# Allegro board DPU_PoE_A1_Oct-9-26.brd
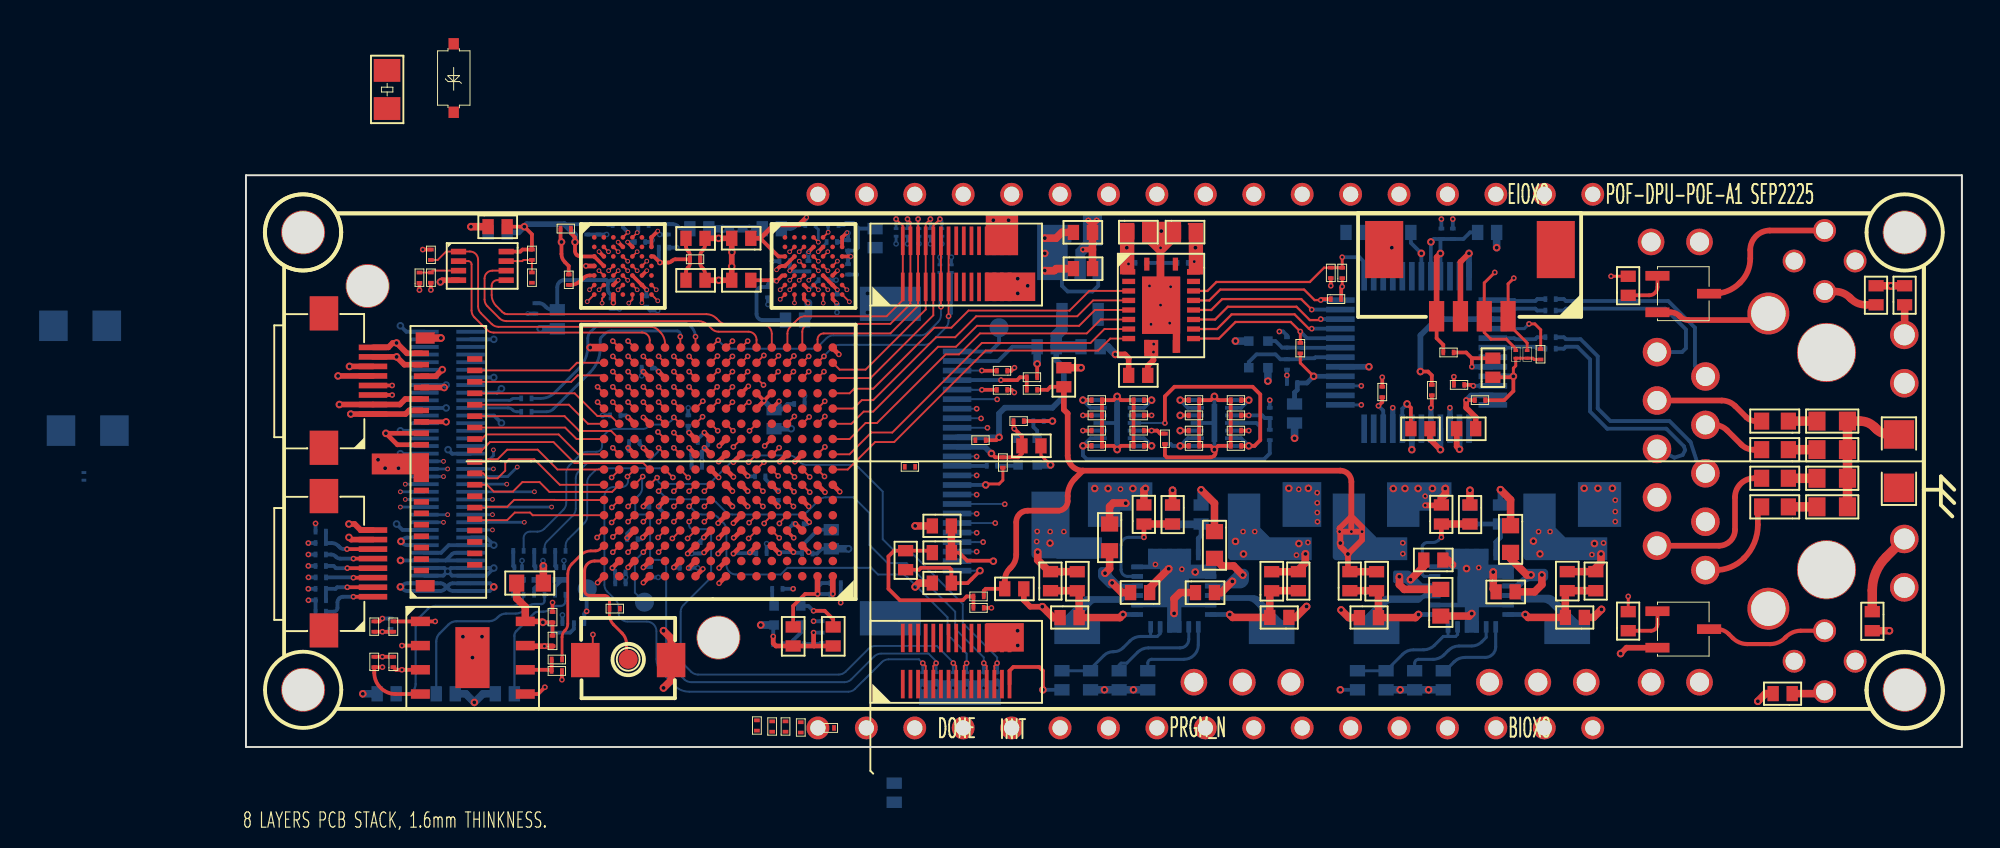
[diagram p0: board, top side]
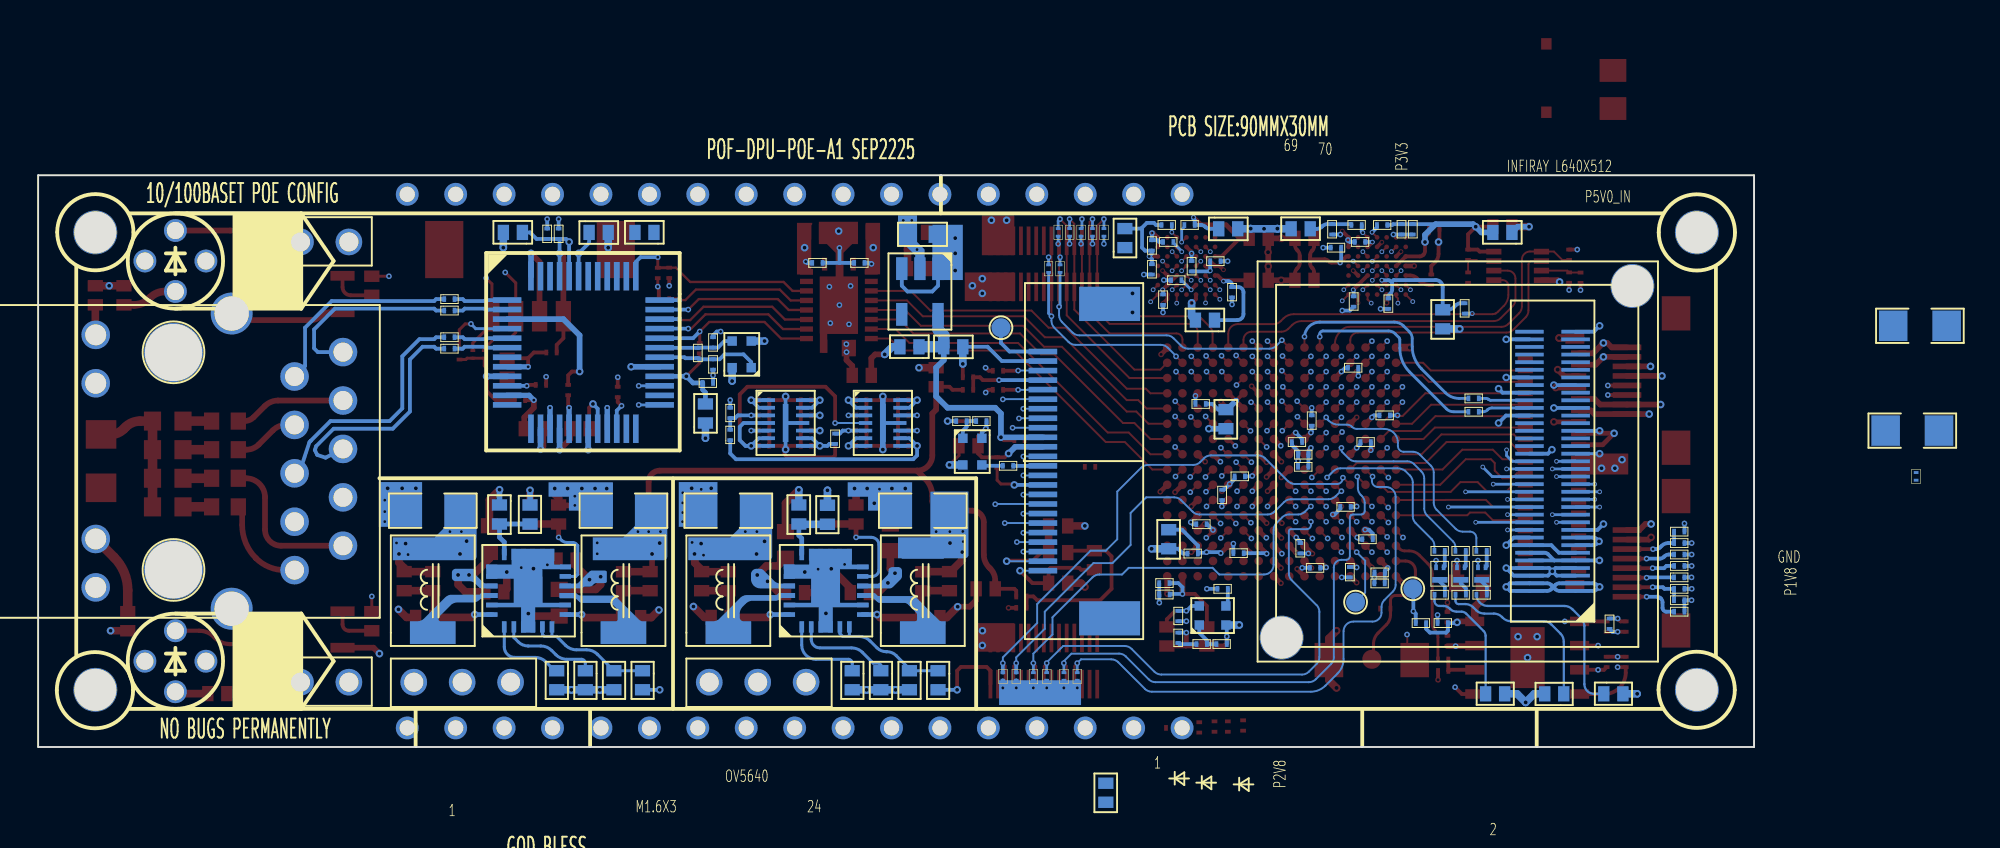
[diagram p1: board, bottom side, seen from below]

Outline 90 x 30 mm; copper layers: TOP, GND-2, SIG-3, VCC-4, GND-5, SIG-6, GND-7, BOTTOM. Coordinates in mm from the lower left corner of the outline.
Outline path: 0,30 90,30 90,0 0,0 0,30

## Design rules (mm)
constraint set DEFAULT: min track width 0.102, pair gap 0.2
net group CK: nets H1_D15 H1_RWDS1
net group DVP_MCLK: nets DVP_MCLK N763219
net group IO_LED_1: nets IO_LED_1 N1593321
net group IO_LED_2: nets IO_LED_2 N1593325
net group IO_LED_3: nets IO_LED_3 N1593329
net group IR_1V8_EN: nets IR_1V8_EN IR_3V3
net group IR_3V3_EN: nets IR_3V3_EN IR_5V0
net group IR_UART_RX: nets IR_UART_RX N2822398
net group IR_UART_TX: nets IR_UART_TX N2822416
net group MCLK: nets MCLK N900708
net group MG_DATABUS_8_15: nets IO-4 IR_D2
net group MIPI1_CLK: nets MIPI1_CLK+ MIPI1_CLK-
net group MIPI1_D0: nets MIPI1_D0+ MIPI1_D0-
net group MIPI1_D1: nets MIPI1_D1+ MIPI1_D1-
net group MIPI2_CLK: nets MIPI2_CLK+ MIPI2_CLK-
net group MIPI2_D0: nets MIPI2_D0+ MIPI2_D0-
net group MIPI2_D1: nets MIPI2_D1+ MIPI2_D1-
net group N2933507: nets N2933507 N2934366
net group RN: nets N2902207 RN
net group RP: nets N2902219 RP
net group SYS_CLK: nets N990230 SYS_CLK
net group TN: nets N2902183 TN
net group TP: nets N2902195 TP
net group UPLD_TXD1: nets N3194743 UPLD_TXD1
net group UPLD_TXD2: nets N3195213 UPLD_TXD2
net group CENTER12: nets CENTER12 CENTER56 GND_EARTH N2982594 N29811470 N29812170 N29812430 N29812690 SPARE7 SPARE8
net group EN_ME1: nets EN_ME1 EN_ME2 PWR_EN_EXT
net group H1_CK: nets H1_CKN
net group MG1: nets H2_CKN H2_CKP H2_D0 H2_D1 H2_D2 H2_D3 H2_D4 H2_D5 H2_D6 H2_D7 H2_D8 H2_D9 H2_D10 H2_D12 H2_D13 H2_D14 H2_D15 H2_RWDS0 H2_RWDS1
net group MG2: nets H1_CKP H1_CS H1_D0 H1_D1 H1_D2 H1_D3 H1_D4 H1_D5 H1_D6 H1_D7 H1_D8 H1_D9 H1_D10 H1_D11 H1_D12 H1_D13 H1_D14 H1_RWDS0
net group MG_BT1120: nets BIO-3
net group MG_DATABUS_0_7: nets H2_D11
net group MG_DVP: nets DVP_D0 DVP_D1 DVP_D2 DVP_D3 DVP_D4 DVP_D5 DVP_D6 DVP_D7 DVP_HSYNC DVP_PCLK DVP_VSYNC
net group MG_IR_CAM: nets IR_D0 IR_D1 IR_D3 IR_D4 IR_D5 IR_D6 IR_D7 IR_D8 IR_D9 IR_D10 IR_D11 IR_D12 IR_D13 IR_D14 IR_D15 IR_HSYNC IR_PCLK IR_VSYNC
net group P2V8: nets N2071731 N2071821 P2V8

## Placement (name value [footprint] x y rotation side)
C1  0.1uF  [C0201_SMT]  30.2 6 270 bottom
C2  0.1uF  [C0201_SMT]  49.4 25.4 180 bottom
C3  10uF  [C0402_SMT]  23.08 26.69 0 top
C4  10uF  [C0402_SMT]  26.48 26.69 180 top
C5  10uF  [C0402_SMT]  33 26.2 90 bottom
C6  10uF  [C0402_SMT]  12.7 27 0 bottom
C7  10uF  [C0402_SMT]  46.3 27.02 0 top
C8  10uF  [C0402_SMT]  48.75 27.02 0 top
C9  0.1uF  [C0201_SMT]  23.83 25.59 180 top
C10  4.7uF  [C0201_SMT]  16.93 24.79 270 top
C11  10uF  [C0402_SMT]  23.08 24.49 0 top
C12  0.1uF  [C0402_SMT]  25.48 24.49 0 top
C13  0.1uF  [C0402_SMT]  49.8 8.1 0 top
C14  0.1uF  [C0402_SMT]  62.78 9.81 180 top
C15  200pF  [C0402_SMT]  69.3 8.2 90 top
C16  16pF  [C0402_SMT]  59.3 8.2 90 top
C17  10uF  [C0402_SMT]  44.4 27 180 top
C18  4.7uF  [C0201_SMT]  28.3 0.8 90 top
C19  0.1uF  [C0201_SMT]  30.3 1 0 top
C20  22uF  [C0603_SMT]  66.33 11.61 270 top
C21  22uF  [C0603_SMT]  62.67 6.87 90 top
C22  0.1uF  [C0201_SMT]  16.5 27.2 0 top
C23  10uF  [C0402_SMT]  42.9 19.9 270 top
C24  10uF  [C0402_SMT]  39.8 8.3 0 top
C25  0.1uF  [C0201_SMT]  56.9 25.15 270 top
C26  0.1uF  [C0201_SMT]  41.5 19.4 180 top
C27  0.1uF  [C0201_SMT]  54.6 19.1 0 bottom
C28  10nF/100V  [C0603_SMT]  80.9 17.1 180 top
C29  0.1uF  [C0201_SMT]  38.8 16.1 180 top
C30  0.1uF  [C0201_SMT]  35.1 14.7 180 top
C31  0.1uF  [C0201_SMT]  39.7 15.2 270 top
C32  12pF  [C0201_SMT]  54.6 21.5 270 bottom
C33  10nF/100V  [C0603_SMT]  80.9 15.6 180 top
C34  10uF  [C0402_SMT]  43.8 21 0 bottom
C35  1000pF/2KV  [C1206_SMT]  87.5 13.4 90 top
C36  10uF  [C0402_SMT]  65.4 19.4 90 top
C37  0.1uF  [C0201_SMT]  67.9 20.33 90 top
C38  12pF  [C0201_SMT]  54.6 19.8 90 bottom
C39  10nF/100V  [C0603_SMT]  80.9 14.1 180 top
C40  10uF  [C0402_SMT]  55 17 90 bottom
C41  0.1uF  [C0201_SMT]  65 18.2 180 top
C42  10nF/100V  [C0603_SMT]  80.9 12.6 180 top
C43  10nF  [C0201_SMT]  59.6 18.9 270 top
C44  4.7uF  [C0402_SMT]  61.1 16.7 0 top
C45  10uF  [C0402_SMT]  63.5 16.7 0 top
C46  0.1uF  [C0201_SMT]  62.2 19 270 top
C47  4.7uF  [C0201_SMT]  26.8 1.4 270 top
C48  10uF  [C0402_SMT]  42.5 21 180 bottom
C49  0.1uF  [C0201_SMT]  27.6 0.8 90 top
C50  0.1uF  [C0402_SMT]  65.57 8.14 0 top
C51  0.1uF  [C0402_SMT]  47.4 8.1 180 top
C52  39pF  [C0402_SMT]  53.8 8.2 90 top
C53  20pF  [C0402_SMT]  43.6 8.2 90 top
C54  22uF  [C0603_SMT]  42.9 26.9 0 bottom
C55  10uF  [C0402_SMT]  46.3 19.5 0 top
C56  0.1uF  [C0201_SMT]  38.7 7.3 180 top
C57  0.1uF  [C0201_SMT]  16.08 6.54 90 top
C58  470nF  [C0201_SMT]  3.65 8.3 0 bottom
C59  0.1uF  [C0201_SMT]  6.73 6.59 270 top
C60  10uF  [C0402_SMT]  28.7 5.3 90 top
C61  22uF  [C0603_SMT]  45.3 11.7 270 top
C62  22uF  [C0603_SMT]  50.8 11.3 270 top
C63  22uF  [C0603_SMT]  15.6 8.6 180 top
C64  0.1uF  [C0201_SMT]  6.73 4.19 90 top
C65  10uF  [C0402_SMT]  30.8 5.3 90 top
C66  10uF  [C0402_SMT]  41.7 15.8 180 top
C67  10uF  [C0402_SMT]  28.08 27.19 180 bottom
C68  10uF  [C0402_SMT]  23.28 27.19 0 bottom
C69  10uF  [C0402_SMT]  16.33 22.94 270 bottom
C70  0.1uF  [C0201_SMT]  22.13 26.89 90 bottom
C71  0.1uF  [C0201_SMT]  18.49 26.89 90 bottom
C72  0.1uF  [C0201_SMT]  17.9 26.89 90 bottom
C73  0.1uF  [C0201_SMT]  62.7 27.2 270 bottom
C74  0.1uF  [C0201_SMT]  47.2 25.4 180 bottom
C75  0.1uF  [C0201_SMT]  20.94 26.5 180 bottom
C76  0.1uF  [C0201_SMT]  31 26.5 180 bottom
C77  0.1uF  [C0201_SMT]  31.58 26.59 270 bottom
C78  0.1uF  [C0201_SMT]  22.2 26.2 180 bottom
C79  0.1uF  [C0201_SMT]  27.98 25.49 0 bottom
C80  0.1uF  [C0201_SMT]  29.5 25.5 270 bottom
C81  0.1uF  [C0201_SMT]  31.58 24.79 90 bottom
C82  10uF  [C0402_SMT]  27.7 17.7 270 bottom
C83  0.1uF  [C0201_SMT]  30.58 24.49 180 bottom
C84  0.1uF  [C0201_SMT]  27.38 23.59 90 bottom
C85  0.1uF  [C0201_SMT]  31 23.2 90 bottom
C86  0.1uF  [C0201_SMT]  21 23.1 90 bottom
C87  0.1uF  [C0201_SMT]  19.18 22.99 90 bottom
C88  0.1uF  [C0201_SMT]  15.18 22.74 90 bottom
C89  10uF  [C0402_SMT]  43.4 25.1 0 top
C90  10uF  [C0402_SMT]  28.3 22.4 0 bottom
C91  0.1uF  [C0201_SMT]  63.3 27.2 270 bottom
C92  10uF  [C0402_SMT]  64.6 27 0 bottom
C93  10uF  [C0402_SMT]  57.7 27 0 bottom
C94  0.1uF  [C0201_SMT]  21.3 19.9 180 bottom
C95  1uF  [C0402_SMT]  65.8 12.7 270 bottom
C96  4.7uF  [C0201_SMT]  29.3 18 180 bottom
C97  33uF  [C1206_SMT]  57.7 13.2 0 bottom
C98  47uF  [C1206_SMT]  67.7 13.2 0 bottom
C99  4.7uF  [C0201_SMT]  19.1 17.4 0 bottom
C100  0.1uF  [C0201_SMT]  23.2 17.4 270 bottom
C101  4.7uF  [C0201_SMT]  44.9 18.2 180 top
C102  4.7uF  [C0201_SMT]  47.1 15.8 180 top
C103  4.7uF  [C0201_SMT]  50 18.2 180 top
C104  4.7uF  [C0201_SMT]  52.2 18.2 180 top
C105  0.1uF  [C0201_SMT]  23.7 16 0 bottom
C106  0.1uF  [C0201_SMT]  20.1 16 0 bottom
C107  22uF/25V  [C1206_SMT]  -6.7 15.8 180 bottom
C108  0.1uF  [C0201_SMT]  53.7 17.8 270 bottom
C109  0.1uF  [C0201_SMT]  44.9 17.4 180 top
C110  0.1uF  [C0201_SMT]  50 17.4 180 top
C111  0.1uF  [C0201_SMT]  23.37 15.34 0 bottom
C112  0.1uF  [C0201_SMT]  48.2 15.9 90 top
C113  0.1uF  [C0201_SMT]  23.92 14.7 180 bottom
C114  0.1uF  [C0201_SMT]  44.9 16.6 180 top
C115  0.1uF  [C0201_SMT]  50 16.6 180 top
C116  0.1uF  [C0201_SMT]  26.7 14.2 0 bottom
C117  0.1uF  [C0201_SMT]  40.8 17.1 180 top
C118  4.7uF  [C0201_SMT]  44.9 15.8 180 top
C119  4.7uF  [C0201_SMT]  47.1 18.2 180 top
C120  4.7uF  [C0201_SMT]  50 15.8 180 top
C121  4.7uF  [C0201_SMT]  52.2 15.8 180 top
C122  22uF/25V  [C1206_SMT]  -7.1 21.3 180 bottom
C123  0.1uF  [C0201_SMT]  27.9 13.5 270 bottom
C124  0.1uF  [C0201_SMT]  21.7 12.6 180 bottom
C125  4.7uF  [C0201_SMT]  28.71 11.69 0 bottom
C126  0.1uF  [C0201_SMT]  20 10.9 0 bottom
C127  10uF  [C0402_SMT]  30.7 11.4 270 bottom
C128  0.1uF  [C0201_SMT]  23.8 10.7 270 bottom
C129  0.1uF  [C0201_SMT]  29.17 10.15 0 bottom
C130  4.7uF  [C0201_SMT]  27.31 10.17 180 bottom
C131  0.1uF  [C0201_SMT]  19.36 9.16 0 bottom
C132  0.1uF  [C0201_SMT]  23.3 9.4 180 bottom
C133  0.1uF  [C0201_SMT]  21.2 8.9 90 bottom
C134  4.7uF  [C0201_SMT]  19.91 8.58 180 bottom
C135  0.1uF  [C0201_SMT]  31.2 8.6 180 bottom
C136  0.1uF  [C0201_SMT]  30.65 8 0 bottom
C137  4.7uF  [C0201_SMT]  30.2 6.6 90 bottom
C138  10uF  [C0402_SMT]  34 -1.9 270 bottom
C139  4.7uF  [C0201_SMT]  29.1 1.3 270 top
C140  0.1uF  [C0201_SMT]  16.6 6.5 180 bottom
C141  0.1uF  [C0201_SMT]  7.58 6.74 270 bottom
C142  10uF  [C0402_SMT]  61.1 27 180 bottom
C143  1uF  [C0402_SMT]  50.1 12.7 270 bottom
C144  33uF  [C1206_SMT]  42 13.2 0 bottom
C145  47uF  [C1206_SMT]  52.2 13.2 0 bottom
C146  10uF  [C0402_SMT]  12.7 27.3 0 top
D1  PESD2V0Y1BSF  [DSN0603-2]  37.1 3.5 90 bottom
D2  PESD2V0Y1BSF  [DSN0603-2]  35.5 3.5 90 bottom
D3  PESD2V0Y1BSF  [DSN0603-2]  38.7 3.5 90 bottom
D4  PESD2V0Y1BSF  [DSN0603-2]  36.2 3.5 90 bottom
D5  PESD2V0Y1BSF  [DSN0603-2]  37.8 3.5 90 bottom
D6  PESD2V0Y1BSF  [DSN0603-2]  39.4 3.5 90 bottom
D7  BZT52C5V6-7-F  [SOD-123]  10.9 35.1 90 top
D8  PESD2V0Y1BSF  [DSN0603-2]  34.7 26.8 90 bottom
D9  PESD2V0Y1BSF  [DSN0603-2]  34.1 26.8 90 bottom
D11  PESD2V0Y1BSF  [DSN0603-2]  35.3 26.8 90 bottom
D12  PESD2V0Y1BSF  [DSN0603-2]  35.9 26.8 90 bottom
D13  PESD2V0Y1BSF  [DSN0603-2]  36.5 26.8 90 bottom
D14  PESD2V0Y1BSF  [DSN0603-2]  36.4 25.3 270 bottom
D15  PESD2V0Y1BSF  [DSN0603-2]  37 25.3 270 bottom
D17  LED  [LED0402_SMT]  14.08 2.79 180 bottom
D18  LED  [LED0402_SMT]  7.88 2.79 180 bottom
D19  LED  [LED0402_SMT]  9.98 2.79 0 bottom
D20  PESD2V0Y1BSF  [DSN0603-2]  -8.5 14.4 270 bottom
D21  PESD2V0Y1BSF  [DSN0603-2]  67.2 20.4 90 top
D22  PESD2V0Y1BSF  [DSN0603-2]  66.6 20.4 90 top
F1  1AMP  [R0805]  7.4 35.5 270 top
FB1  BLM15PD121SN1D  [L0201_SMT]  41.5 18.74 180 top
FB2  BLM15PD121SN1D  [L0201_SMT]  62.8 20.7 0 top
FB3  BLM15PD121SN1D  [L0201_SMT]  38.7 7.9 180 top
J2  CONN-2X15P  [DF40HC_3D0_30DS_0D4]  34.45 26.56 0 top
J4  CONN-2X15P  [DF40HC_3D0_30DS_0D4]  34.45 5.72 0 top
J5  CONN-1X8  [FPC-0D5-8P]  6.66 7.88 90 top
J6  FPC-05F-24PH20  [FPC-0D5-24P]  37.3 9.25 90 bottom
J7  DF40HC(3.0)-70DS-0.4V(51)  [DF40HC-70DS_]  11.78 8.19 90 bottom
J8  HC-1.25-4PWT  [SMD-1D25-4P-DEG0]  66.2 22.6 180 top
J9  CONN-1X8  [FPC-0D5-8P]  6.66 17.47 90 top
J10  CONN-1X3P  [CONN-1X3P-2D54]  70.3 3.4 180 bottom
J11  CONN-1X3P  [CONN-1X3P-2D54]  54.8 3.4 180 bottom
J12  CONN-1X2P  [CONN-1X2P-2D54]  73.7 26.5 0 bottom
J13  CONN-1X2P  [CONN-1X2P-2D54]  73.7 3.4 0 bottom
L1  1uH/1A  [IND_SMD_4D4X4D2]  59.3 6 90 bottom
L2  1uH/1A  [IND_SMD_4D4X4D2]  69.3 6 90 bottom
L3  1uH/1A  [IND_SMD_4D4X4D2]  43.6 6 90 bottom
L4  1uH/1A  [IND_SMD_4D4X4D2]  53.8 6 90 bottom
LD1  LaserDiode  [LD_CIR_THR_4P]  82.8 25.5 270 bottom
LD2  LaserDiode  [LD_CIR_THR_4P]  82.8 4.5 270 bottom
NOREF  -  [unnamed]  82.9 20.7 0 top
NOREF#2  -  [unnamed]  82.9 9.3 0 top
NOREF#3  -  [unnamed#2]  24.78 5.74 0 top
NOREF#4  -  [unnamed#2]  3 3 0 top
NOREF#5  -  [unnamed#2]  87 27 0 top
NOREF#6  -  [unnamed#2]  87 3 0 top
NOREF#7  -  [#2]  0 0 90 top
NOREF#8  -  [#2]  0 30 0 top
NOREF#9  -  [unnamed#2]  3 27 0 top
NOREF#10  -  [unnamed#2]  6.38 24.19 0 top
Q1  BFR93AWH6327  [SOT23-3]  73.6 25.2 270 top
Q2  BFR93AWH6327  [SOT23-3]  73.6 7.6 270 top
Q3  BC847BMB,315  [DFN-3-1X0D6]  16.48 9.09 180 bottom
Q4  BC847BMB,315  [DFN-3-1X0D6]  15.38 9.09 180 bottom
Q5  BC847BMB,315  [DFN-3-1X0D6]  14.28 9.09 180 bottom
R1  0R  [R0402_SMT]  59.8 4 270 bottom
R2  DNP  [R0402_SMT]  58.3 4 270 bottom
R3  100K  [R0402_SMT]  70.2 6.8 180 top
R4  49.9K  [R0402_SMT]  58.4 6.79 0 top
R5  0R  [R0402_SMT]  72.5 23.7 90 top
R6  100R  [R0402_SMT]  85.5 23.2 90 top
R7  330R  [R0402_SMT]  87 23.2 90 top
R8  24.9K  [R0402_SMT]  70.8 8.2 90 top
R9  154K  [R0402_SMT]  57.9 8.2 90 top
R10  10K  [R0201_SMT]  57.5 24.6 90 top
R11  10K  [R0201_SMT]  9.7 26.1 270 top
R12  10K  [R0201_SMT]  9.1 24.35 90 top
R13  DNP  [R0201_SMT]  9.7 24.9 270 top
R14  10K  [R0201_SMT]  15 26.1 270 top
R15  DNP  [R0201_SMT]  15 24.9 270 top
R16  10K  [R0201_SMT]  39.93 19.74 180 top
R17  10K  [R0201_SMT]  39.93 18.74 180 top
R18  0R  [R0402_SMT]  64.2 12.7 270 top
R19  DNP  [R0402_SMT]  62.7 11.7 90 top
R20  33R  [R0201_SMT]  68.7 23.5 180 bottom
R21  10K  [R0201_SMT]  56.9 23.5 0 top
R22  33R  [R0201_SMT]  68.7 22.9 180 bottom
R23  75  [R0603_SMT]  82.4 17.1 0 top
R24  10K  [R0201_SMT]  55.3 21.2 270 top
R25  33R  [R0201_SMT]  68.7 21.5 180 bottom
R26  75  [R0603_SMT]  82.4 15.6 0 top
R27  33R  [R0201_SMT]  68.7 20.9 180 bottom
R28  0R  [R0201_SMT]  40.8 17.1 180 bottom
R29  1M  [R0201_SMT]  55.4 20.4 90 bottom
R30  33R  [R0201_SMT]  39.4 14.76 180 bottom
R31  75  [R0603_SMT]  82.4 14.1 0 top
R32  DNP  [R0201_SMT]  41.3 17.1 0 bottom
R33  12.4K,1%  [R0201_SMT]  63.9 19 180 top
R34  75  [R0603_SMT]  82.4 12.6 0 top
R35  0R  [R0402_SMT]  44.3 4 270 bottom
R36  DNP  [R0402_SMT]  42.8 4 270 bottom
R37  DNP  [R0201_SMT]  28.2 5.4 180 bottom
R38  33R  [R0201_SMT]  27.6 8.3 0 bottom
R39  0R  [R0201_SMT]  28.7 5.4 0 bottom
R40  100K  [R0402_SMT]  54.7 6.8 180 top
R41  48K  [R0402_SMT]  42.7 6.79 0 top
R42  0R  [R0402_SMT]  36 8.6 0 top
R43  DNP  [R0402_SMT]  34.6 10.3 270 top
R44  0R  [R0402_SMT]  36 10.2 0 top
R45  DNP  [R0402_SMT]  36 11.6 0 top
R46  125K  [R0402_SMT]  55.2 8.2 90 top
R47  120K  [R0402_SMT]  42.2 8.2 90 top
R48  4.7K  [R0201_SMT]  17.2 6.5 0 bottom
R49  330R  [R0402_SMT]  85.3 7.1 270 top
R50  4.7K  [R0201_SMT]  4.2 7.7 180 bottom
R51  4.7K  [R0201_SMT]  7.73 6.59 270 top
R52  4.7K  [R0201_SMT]  16.08 5.29 90 top
R53  4.7K  [R0201_SMT]  19.07 7.26 0 top
R54  33R  [R0201_SMT]  16.58 4.59 180 top
R55  4.7K  [R0201_SMT]  7.73 4.19 90 top
R56  DNP  [R0201_SMT]  16.03 3.99 0 top
R57  0R  [R0402_SMT]  48.6 12.7 270 top
R58  DNP  [R0402_SMT]  47.1 11.7 90 top
R59  0R  [R0402_SMT]  72.5 6.1 90 top
R60  100R  [R0402_SMT]  81.1 2.8 180 top
R61  2.2K  [R0201_SMT]  31.08 27.39 180 bottom
R62  2.2K  [R0201_SMT]  29.88 27.39 180 bottom
R63  2.2K  [R0201_SMT]  21.12 27.39 180 bottom
R64  2.2K  [R0201_SMT]  19.78 27.39 180 bottom
R65  10K  [R0402_SMT]  62.8 4 270 bottom
R66  10K  [R0402_SMT]  61.3 4 270 bottom
R67  10R  [R0402_SMT]  64.2 11.7 90 bottom
R68  0R  [R0201_SMT]  14.98 18.29 180 bottom
R69  0R  [R0201_SMT]  14.98 17.59 180 bottom
R70  100K  [R0201_SMT]  46.55 17.4 0 top
R71  100K  [R0201_SMT]  51.65 17.4 0 top
R72  100K  [R0201_SMT]  46.55 16.6 0 top
R73  100K  [R0201_SMT]  51.65 16.6 0 top
R74  100K  [R0201_SMT]  53.7 16.1 90 bottom
R75  100K  [R0201_SMT]  48.2 15.9 90 bottom
R76  10K  [R0402_SMT]  47.3 4 270 bottom
R77  10K  [R0402_SMT]  45.8 4 270 bottom
R78  1K  [R0201_SMT]  16.77 10.29 180 bottom
R79  1K  [R0201_SMT]  15.66 10.29 180 bottom
R80  1K  [R0201_SMT]  14.56 10.29 180 bottom
R81  20K  [R0201_SMT]  16.21 7.99 0 bottom
R82  20K  [R0201_SMT]  15.12 7.99 0 bottom
R83  20K  [R0201_SMT]  14.02 7.99 0 bottom
R84  10R  [R0402_SMT]  48.6 11.68 90 bottom
R85  4.7K  [R0201_SMT]  3.65 7.1 0 bottom
R86  2.2K  [R0201_SMT]  4.2 8.9 180 bottom
R87  4.7K  [R0201_SMT]  3.65 9.5 0 bottom
R88  4.7K  [R0201_SMT]  3.65 10.1 0 bottom
R89  1K  [R0201_SMT]  3.65 10.7 0 bottom
R90  DNP  [R0201_SMT]  3.65 11.3 0 bottom
SW1  SW KEY-SPST  [SW_SMD_2P_L3D9_W3D0_P4D5]  22.3 4.56 180 top
TP2  T POINT F  [TP_SMD_1D0_NP]  17.9 8.3 180 bottom
TP4  T POINT F  [TP_SMD_1D0_NP]  20.05 4.6 0 top
TP7  T POINT F  [TP_SMD_1D0_NP]  39.5 22 180 bottom
TP8  T POINT F  [TP_SMD_1D0_NP]  20.9 7.6 180 bottom
TP9  T POINT F  [TP_THR_CIR_0D8_1D2]  50.32 29 0 top
TP10  T POINT F  [TP_THR_CIR_0D8_1D2]  52.86 29 0 top
TP11  T POINT F  [TP_THR_CIR_0D8_1D2]  55.4 29 0 top
TP12  T POINT F  [TP_THR_CIR_0D8_1D2]  42.7 29 0 top
TP13  T POINT F  [TP_THR_CIR_0D8_1D2]  40.16 1 0 top
TP14  T POINT F  [TP_THR_CIR_0D8_1D2]  45.24 29 0 top
TP15  T POINT F  [TP_THR_CIR_0D8_1D2]  47.78 29 0 top
TP16  T POINT F  [TP_THR_CIR_0D8_1D2]  37.62 1 0 top
TP17  T POINT F  [TP_THR_CIR_0D8_1D2]  40.16 29 0 top
TP18  T POINT F  [TP_THR_CIR_0D8_1D2]  37.62 29 0 top
TP19  T POINT F  [TP_THR_CIR_0D8_1D2]  35.08 29 0 top
TP20  T POINT F  [TP_THR_CIR_0D8_1D2]  35.08 1 0 top
TP21  T POINT F  [TP_THR_CIR_0D8_1D2]  32.54 1 0 top
TP22  T POINT F  [TP_THR_CIR_0D8_1D2]  30 1 0 top
TP23  T POINT F  [TP_THR_CIR_0D8_1D2]  70.64 29 0 top
TP24  T POINT F  [TP_THR_CIR_0D8_1D2]  68.1 29 0 top
TP25  T POINT F  [TP_THR_CIR_0D8_1D2]  65.56 29 0 top
TP26  T POINT F  [TP_THR_CIR_0D8_1D2]  63.02 29 0 top
TP27  T POINT F  [TP_THR_CIR_0D8_1D2]  32.54 29 0 top
TP28  T POINT F  [TP_THR_CIR_0D8_1D2]  60.48 29 0 top
TP29  T POINT F  [TP_THR_CIR_0D8_1D2]  30 29 0 top
TP30  T POINT F  [TP_THR_CIR_0D8_1D2]  57.94 29 0 top
TP31  T POINT F  [TP_THR_CIR_0D8_1D2]  42.7 1 0 top
TP32  T POINT F  [TP_THR_CIR_0D8_1D2]  45.24 1 0 top
TP33  T POINT F  [TP_THR_CIR_0D8_1D2]  47.78 1 0 top
TP34  T POINT F  [TP_THR_CIR_0D8_1D2]  50.32 1 0 top
TP35  T POINT F  [TP_THR_CIR_0D8_1D2]  52.86 1 0 top
TP36  T POINT F  [TP_THR_CIR_0D8_1D2]  55.4 1 0 top
TP37  T POINT F  [TP_THR_CIR_0D8_1D2]  57.94 1 0 top
TP38  T POINT F  [TP_THR_CIR_0D8_1D2]  60.48 1 0 top
TP39  T POINT F  [TP_THR_CIR_0D8_1D2]  63.02 1 0 top
TP40  T POINT F  [TP_THR_CIR_0D8_1D2]  65.56 1 0 top
TP41  T POINT F  [TP_THR_CIR_0D8_1D2]  68.1 1 0 top
TP42  T POINT F  [TP_THR_CIR_0D8_1D2]  70.64 1 0 top
U1  W958D6NBKX4I  [WFBGA-49]  18.27 26.74 0 top
U2  W958D6NBKX4I  [WFBGA-49]  28.27 26.74 0 top
U3  TXS0108ERGYR  [VQFN-20]  48 23.18 270 top
U4  CAT25512HU5I-GT3  [UDFN-8-2X3]  13.65 25.99 270 top
U5  TPS22976DPUR  [WSON-14-EP]  49.9 18.2 270 bottom
U6  TPS22976DPUR  [WSON-14-EP]  44.8 18.2 270 bottom
U7  LIFCL-40-7BG256I  [CABGA-256]  30.78 8.96 180 top
U8  TLV75515PDBVR  [SOT-23-5]  42.8 25.1 270 bottom
U9  W25Q32JWZPIQ_TR  [WSON-8-EP-6X5MM]  11.88 4.69 0 top
U11  MAX20416ATGD/V+  [TQFN-24]  64.3 8.2 180 bottom
U12  W5500  [LQFP-48]  61.4 20.7 270 bottom
U13  HY931147C  [RJ-45-POE]  82.9 15 90 bottom
U14  MAX20416ATGD/V+  [TQFN-24]  48.7 8.2 180 bottom
Y1  Hirose FH35C-39S-0.3SHW  [FH35C-39S-0D3SHW]  9.2 14.96 270 top
Y2  XRCGB-25MHz  [SMD2016-4P]  53.6 19.9 90 bottom
Y3  24.0MHz  [SMD2016-4P]  40.5 16.2 270 bottom
Y4  25.0MHz  [SMD2016-4P]  29.1 7.4 180 bottom

## Library data of the parts
C1-C33 C35-C53 C55-C62 C64-C96 C99-C106 C108-C121 C123-C143 C146 = CAP NP: signal model: DEFAULT_CAPACITOR_1e+07pF_2_1
C34 C54 C63 C97 C98 C107 C122 C144 C145 = CAP NP: signal model: DEFAULT_CAPACITOR_2.2e+07pF_2_1
D1-D6 D8 D9 D11-D15 D20-D22 = DIODE TVS BI-DIR
D7 = DIODE ZENER
D17-D19 = LED
F1 = FUSE
FB1-FB3 = INDUCTOR
J2 J4 = CONN-2X15P
J5 J9 = CONN-1X8
J6 = OV5640-FPC-24P-DVP
J7 = Header2x35
J8 = SIP-1x4
J10 J11 = CONN-1X3P
J12 J13 = CONN-1X2P
L1-L4 = INDUCTOR: signal model: DEFAULT_INDUCTOR_4700nH_2_1
LD1 LD2 = LaserDiode_0
Q1 Q2 = 2SC1815
Q3-Q5 = MMBT2222AL
R1-R41 R46-R69 R74-R80 R84-R90 = R: signal model: DEFAULT_RESISTOR_10000OHM_2_1
R42-R45 R70-R73 R81-R83 = R
SW1 = SW KEY-SPST
TP2 TP4 TP7-TP42 = T POINT F
U1 U2 = W958D6NBKX4I
U3 = TXS0108ERGYR
U4 = CAT25512HU5I-GT3
U5 U6 = TPS22976DPUR
U7 = LIFCL-40-BG256
U8 = TLV75515PDBVR
U9 = GD25Q128ESIGR
U11 U14 = MAX20416ATGD/V+
U12 = W5500
U13 = HY931147C
Y1 = FH35C-39S-0DSHW
Y2 = CRY2016-4P
Y3 Y4 = OSCILLATOR

## Footprints (pads in the part's own frame, mm; a bottom-side part is the same pattern mirrored in y, then rotated)
C0201_SMT
  rect 0.2x0.3 smd: 1(0,0) 2(0.544,0)
C0402_SMT
  rect 0.6x0.8 smd: 1(0,0) 2(1,0)
C0603_SMT
  rect 0.8x0.9 smd: 1(0,0) 2(1.4,0)
C1206_SMT
  rect 1.5x1.6 smd: 1(0.2,0.8) 2(3,0.8)
CABGA-256
  round 0.45 smd: A1(0,0) A2(0.8,0) A3(1.6,0) A4(2.4,0) A5(3.2,0) A6(4,0) A7(4.8,0) A8(5.6,0) A9(6.4,0) A10(7.2,0) A11(8,0) A12(8.8,0) A13(9.6,0) A14(10.4,0) A15(11.2,0) A16(12,0) B1(0,-0.8) B2(0.8,-0.8) B3(1.6,-0.8) B4(2.4,-0.8) B5(3.2,-0.8) B6(4,-0.8) B7(4.8,-0.8) B8(5.6,-0.8) B9(6.4,-0.8) B10(7.2,-0.8) B11(8,-0.8) B12(8.8,-0.8) B13(9.6,-0.8) B14(10.4,-0.8) B15(11.2,-0.8) B16(12,-0.8) C1(0,-1.6) C2(0.8,-1.6) C3(1.6,-1.6) C4(2.4,-1.6) C5(3.2,-1.6) C6(4,-1.6) C7(4.8,-1.6) C8(5.6,-1.6) C9(6.4,-1.6) C10(7.2,-1.6) C11(8,-1.6) C12(8.8,-1.6) C13(9.6,-1.6) C14(10.4,-1.6) C15(11.2,-1.6) C16(12,-1.6) D1(0,-2.4) D2(0.8,-2.4) D3(1.6,-2.4) D4(2.4,-2.4) D5(3.2,-2.4) D6(4,-2.4) D7(4.8,-2.4) D8(5.6,-2.4) D9(6.4,-2.4) D10(7.2,-2.4) D11(8,-2.4) D12(8.8,-2.4) D13(9.6,-2.4) D14(10.4,-2.4) D15(11.2,-2.4) D16(12,-2.4) E1(0,-3.2) E2(0.8,-3.2) E3(1.6,-3.2) E4(2.4,-3.2) E5(3.2,-3.2) E6(4,-3.2) E7(4.8,-3.2) E8(5.6,-3.2) E9(6.4,-3.2) E10(7.2,-3.2) E11(8,-3.2) E12(8.8,-3.2) E13(9.6,-3.2) E14(10.4,-3.2) E15(11.2,-3.2) E16(12,-3.2) F1(0,-4) F2(0.8,-4) F3(1.6,-4) F4(2.4,-4) F5(3.2,-4) F6(4,-4) F7(4.8,-4) F8(5.6,-4) F9(6.4,-4) F10(7.2,-4) F11(8,-4) F12(8.8,-4) F13(9.6,-4) F14(10.4,-4) F15(11.2,-4) F16(12,-4) G1(0,-4.8) G2(0.8,-4.8) G3(1.6,-4.8) G4(2.4,-4.8) G5(3.2,-4.8) G6(4,-4.8) G7(4.8,-4.8) G8(5.6,-4.8) G9(6.4,-4.8) G10(7.2,-4.8) G11(8,-4.8) G12(8.8,-4.8) G13(9.6,-4.8) G14(10.4,-4.8) G15(11.2,-4.8) G16(12,-4.8) H1(0,-5.6) H2(0.8,-5.6) H3(1.6,-5.6) H4(2.4,-5.6) H5(3.2,-5.6) H6(4,-5.6) H7(4.8,-5.6) H8(5.6,-5.6) H9(6.4,-5.6) H10(7.2,-5.6) H11(8,-5.6) H12(8.8,-5.6) H13(9.6,-5.6) H14(10.4,-5.6) H15(11.2,-5.6) H16(12,-5.6) J1(0,-6.4) J2(0.8,-6.4) J3(1.6,-6.4) J4(2.4,-6.4) J5(3.2,-6.4) J6(4,-6.4) J7(4.8,-6.4) J8(5.6,-6.4) J9(6.4,-6.4) J10(7.2,-6.4) J11(8,-6.4) J12(8.8,-6.4) J13(9.6,-6.4) J14(10.4,-6.4) J15(11.2,-6.4) J16(12,-6.4) K1(0,-7.2) K2(0.8,-7.2) K3(1.6,-7.2) K4(2.4,-7.2) K5(3.2,-7.2) K6(4,-7.2) K7(4.8,-7.2) K8(5.6,-7.2) K9(6.4,-7.2) K10(7.2,-7.2) K11(8,-7.2) K12(8.8,-7.2) K13(9.6,-7.2) K14(10.4,-7.2) K15(11.2,-7.2) K16(12,-7.2) L1(0,-8) L2(0.8,-8) L3(1.6,-8) L4(2.4,-8) L5(3.2,-8) L6(4,-8) L7(4.8,-8) L8(5.6,-8) L9(6.4,-8) L10(7.2,-8) L11(8,-8) L12(8.8,-8) L13(9.6,-8) L14(10.4,-8) L15(11.2,-8) L16(12,-8) M1(0,-8.8) M2(0.8,-8.8) M3(1.6,-8.8) M4(2.4,-8.8) M5(3.2,-8.8) M6(4,-8.8) M7(4.8,-8.8) M8(5.6,-8.8) M9(6.4,-8.8) M10(7.2,-8.8) M11(8,-8.8) M12(8.8,-8.8) M13(9.6,-8.8) M14(10.4,-8.8) M15(11.2,-8.8) M16(12,-8.8) N1(0,-9.6) N2(0.8,-9.6) N3(1.6,-9.6) N4(2.4,-9.6) N5(3.2,-9.6) N6(4,-9.6) N7(4.8,-9.6) N8(5.6,-9.6) N9(6.4,-9.6) N10(7.2,-9.6) N11(8,-9.6) N12(8.8,-9.6) N13(9.6,-9.6) N14(10.4,-9.6) N15(11.2,-9.6) N16(12,-9.6) P1(0,-10.4) P2(0.8,-10.4) P3(1.6,-10.4) P4(2.4,-10.4) P5(3.2,-10.4) P6(4,-10.4) P7(4.8,-10.4) P8(5.6,-10.4) P9(6.4,-10.4) P10(7.2,-10.4) P11(8,-10.4) P12(8.8,-10.4) P13(9.6,-10.4) P14(10.4,-10.4) P15(11.2,-10.4) P16(12,-10.4) R1(0,-11.2) R2(0.8,-11.2) R3(1.6,-11.2) R4(2.4,-11.2) R5(3.2,-11.2) R6(4,-11.2) R7(4.8,-11.2) R8(5.6,-11.2) R9(6.4,-11.2) R10(7.2,-11.2) R11(8,-11.2) R12(8.8,-11.2) R13(9.6,-11.2) R14(10.4,-11.2) R15(11.2,-11.2) R16(12,-11.2) T1(0,-12) T2(0.8,-12) T3(1.6,-12) T4(2.4,-12) T5(3.2,-12) T6(4,-12) T7(4.8,-12) T8(5.6,-12) T9(6.4,-12) T10(7.2,-12) T11(8,-12) T12(8.8,-12) T13(9.6,-12) T14(10.4,-12) T15(11.2,-12) T16(12,-12)